# KiCad board MinicalcControlPanel.kicad_pcb (continued)
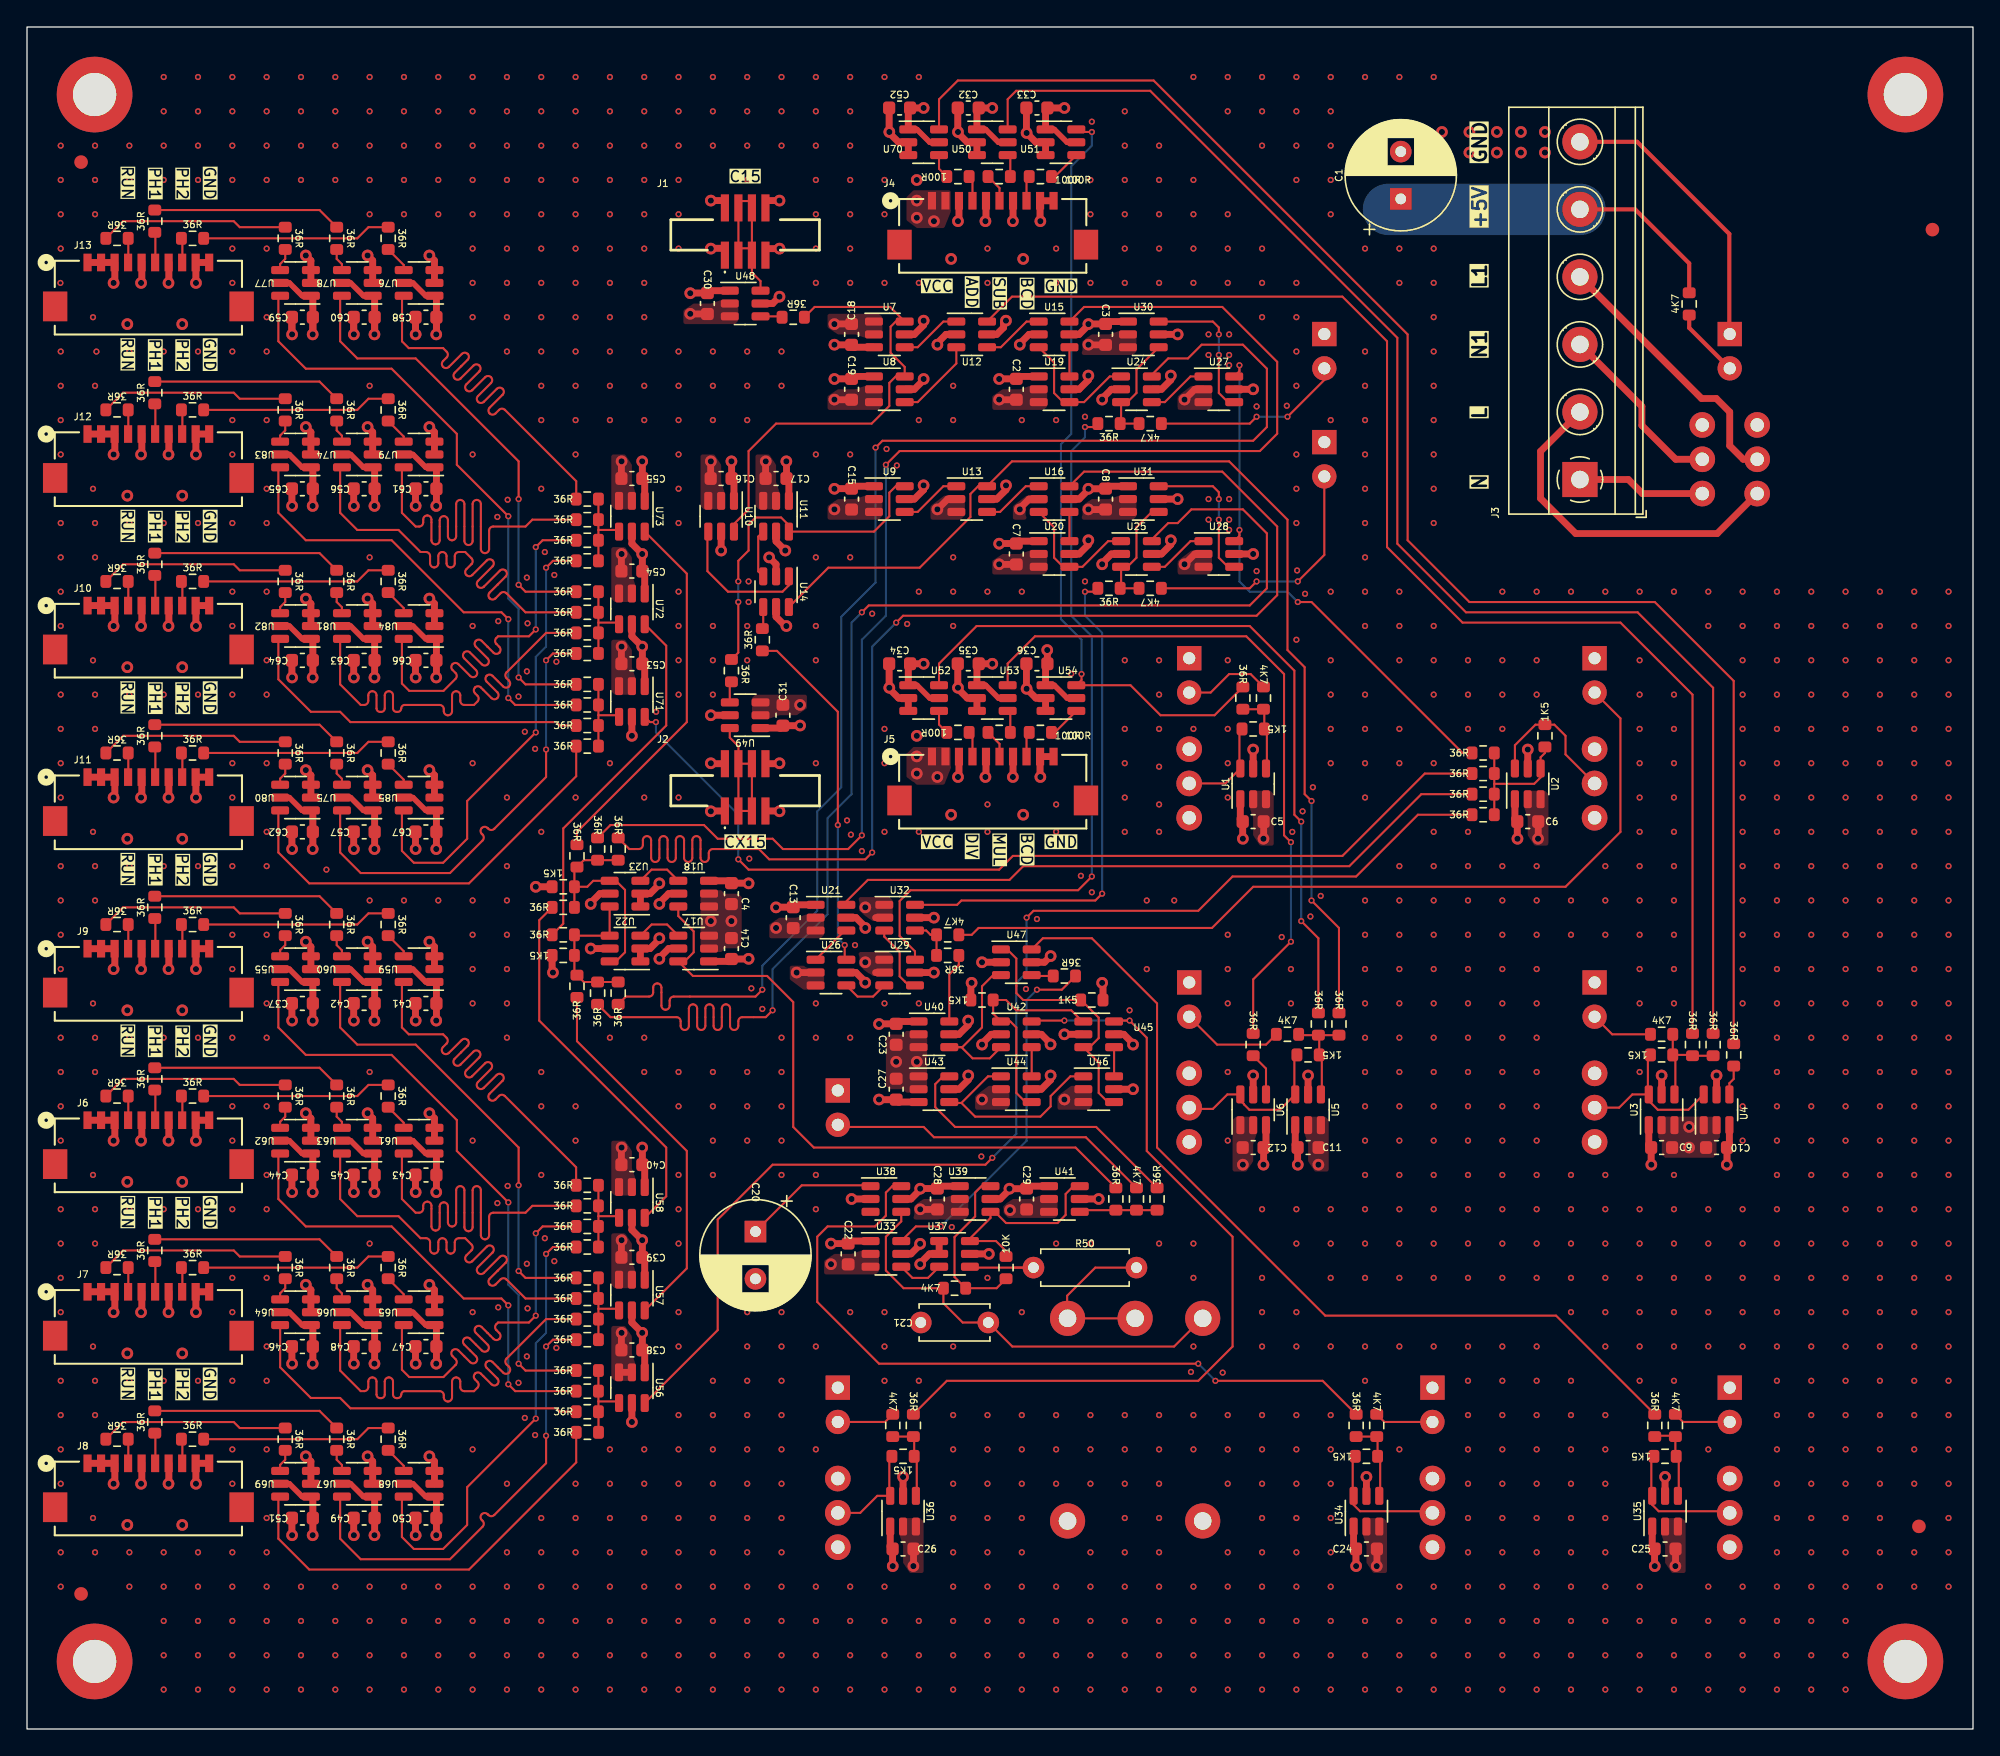
[diagram p0: board, top side]
## Routing (per net, layer and track width the routed paths; a pad name or vN(x,y) marks a point on that pad's centre or on a via; arc(x,y) is an arc through that point) (continued)
  GND_2 w0.305: 100.16,117.5 100.13,117.47
  GND_2 w3.81: J3.6 100.16,117.5
  GND_3 w3.81: J3.6 100.42,117.5
  vias: v1(7.42,104.01) v1(7.42,91.31) v1(7.42,78.61) v1(7.42,65.91) v1(7.42,53.21) v1(7.42,40.51) v1(7.42,27.81) v1(7.42,15.11) v1(11.49,104.01) v1(11.49,91.31) v1(11.49,78.61) v1(11.49,65.91) v1(11.49,53.21) v1(11.49,40.51) v1(11.49,27.81) v1(11.49,15.11) v1(46.79,62.6) v1(46.79,58.54) v1(50.6,59.81) v1(52.13,59.81) v1(59.49,34.41) v1(62.03,60.83) v1(62.03,56.76) v1(64.32,49.4) v1(65.84,114.67) v1(65.84,73.53) v1(65.84,49.4) v1(68.38,108.83) v1(68.38,67.68) v1(70.67,46.6) v1(73.72,108.83) v1(73.72,67.68) v1(76.76,46.6) v1(89.97,41.78) v1(95.56,41.78) v1(104.7,118.23) v1(104.7,116.71) v1(106.74,118.23) v1(106.74,116.71) v1(108.77,118.23) v1(108.77,116.71) v1(110.55,118.23) v1(110.55,116.71) v1(112.32,118.23) v1(112.32,116.71) v1(122.99,44.57) v1(122.99,43.05) v2(2.49,117.22) v2(2.49,114.68) v2(2.49,112.14) v2(2.49,109.6) v2(2.47,107.05) v2(2.49,101.98) v2(2.49,99.44) v2(2.49,96.9) v2(2.49,94.36) v2(2.49,89.28) v2(2.49,86.74) v2(2.49,84.2) v2(2.49,81.66) v2(2.49,76.58) v2(2.49,74.04) v2(2.49,71.5) v2(2.49,68.96) v2(2.49,63.88) v2(2.49,61.34) v2(2.49,58.8) v2(2.49,56.26) v2(2.49,51.18) v2(2.49,48.64) v2(2.49,46.1) v2(2.49,43.56) v2(2.49,38.48) v2(2.49,35.94) v2(2.49,33.4) v2(2.49,30.86) v2(2.49,25.78) v2(2.49,23.24) v2(2.49,20.7) v2(2.49,18.16) v2(2.49,13.08) v2(2.49,10.54) v2(4.88,104.51) v2(4.88,91.81) v2(4.88,79.11) v2(4.88,66.42) v2(4.88,53.71) v2(4.88,41.02) v2(4.88,28.31) v2(4.88,15.62) v2(5.03,117.22) v2(5.03,114.68) v2(5.03,112.14) v2(5.03,99.44) v2(5.03,89.28) v2(5.03,86.74) v2(5.03,76.58) v2(5.03,74.04) v2(5.03,63.88) v2(5.03,61.34) v2(5.03,51.18) v2(5.03,48.64) v2(5.03,38.48) v2(5.03,35.94) v2(5.03,25.78) v2(5.03,23.24) v2(5.03,13.08) v2(5.14,101.97) v2(7.57,117.22) v2(7.57,114.68) v2(7.57,101.98) v2(7.57,89.28) v2(7.57,76.58) v2(7.57,63.88) v2(7.57,51.18) v2(7.57,38.48) v2(7.57,25.78) v2(7.57,13.08) v2(7.57,10.54) v2(10.11,122.3) v2(10.11,119.76) v2(10.11,117.22) v2(10.11,114.68) v2(10.11,101.98) v2(10.11,89.28) v2(10.11,76.58) v2(10.11,63.88) v2(10.11,51.18) v2(10.11,38.48) v2(10.11,25.78) v2(10.11,13.08) v2(10.11,10.54) v2(10.11,8) v2(10.11,5.46) v2(10.11,2.92) v2(12.65,122.3) v2(12.65,119.76) v2(12.65,117.22) v2(12.65,114.68) v2(12.65,101.98) v2(12.65,89.28) v2(12.65,76.58) v2(12.65,63.88) v2(12.65,51.18) v2(12.65,38.48) v2(12.65,25.78) v2(12.65,13.08) v2(12.65,10.54) v2(12.65,8) v2(12.65,5.46) v2(12.65,2.92) v2(15.19,122.3) v2(15.19,119.76) v2(15.19,117.22) v2(15.19,114.68) v2(15.19,109.6) v2(15.19,107.06) v2(15.19,101.98) v2(15.19,96.9) v2(15.19,94.36) v2(15.19,89.28) v2(15.19,84.2) v2(15.19,81.66) v2(15.19,76.58) v2(15.19,71.5) v2(15.19,68.96) v2(15.19,63.88) v2(15.19,58.8) v2(15.19,56.26) v2(15.19,51.18) v2(15.19,46.1) v2(15.19,43.56) v2(15.19,38.48) v2(15.19,33.4) v2(15.19,30.86) v2(15.19,25.78) v2(15.19,20.7) v2(15.19,18.16) v2(15.19,13.08) v2(15.19,10.54) v2(15.19,8) v2(15.19,5.46) v2(15.19,2.92) v2(17.73,122.3) v2(17.73,119.76) v2(17.73,117.22) v2(17.73,114.68) v2(17.73,109.6) v2(17.73,104.52) v2(17.73,101.98) v2(17.73,96.9) v2(17.73,91.82) v2(17.73,89.28) v2(17.73,84.2) v2(17.73,79.12) v2(17.73,76.58) v2(17.73,71.5) v2(17.73,66.42) v2(17.73,63.88) v2(17.73,58.8) v2(17.73,53.72) v2(17.73,51.18) v2(17.73,46.1) v2(17.73,41.02) v2(17.73,38.48) v2(17.73,33.4) v2(17.73,28.32) v2(17.73,25.78) v2(17.73,20.7) v2(17.73,15.62) v2(17.73,13.08) v2(17.73,10.54) v2(17.73,8) v2(17.73,5.46) v2(17.73,2.92) v2(20.27,122.3) v2(20.27,119.76) v2(20.27,117.22) v2(20.27,114.68) v2(20.27,10.54) v2(20.27,8) v2(20.27,5.46) v2(20.27,2.92) v2(22.15,63.62) v2(22.81,122.3) v2(22.81,119.76) v2(22.81,117.22) v2(22.81,114.68) v2(22.81,10.54) v2(22.81,8) v2(22.81,5.46) v2(22.81,2.92) v2(25.35,122.3) v2(25.35,119.76) v2(25.35,117.22) v2(25.35,114.68) v2(25.35,112.14) v2(25.35,99.44) v2(25.35,86.74) v2(25.35,61.34) v2(25.35,48.64) v2(25.35,35.94) v2(25.35,10.54) v2(25.35,8) v2(25.35,5.46) v2(25.35,2.92) v2(27.89,122.3) v2(27.89,119.76) v2(27.89,117.22) v2(27.89,114.68) v2(27.89,112.14) v2(27.89,61.34) v2(27.89,10.54) v2(27.89,8) v2(27.89,5.46) v2(27.89,2.92) v2(30.43,122.3) v2(30.43,119.76) v2(30.43,117.22) v2(30.43,114.68) v2(30.43,112.14) v2(30.43,61.34) v2(30.43,10.54) v2(30.43,8) v2(30.43,5.46) v2(30.43,2.92) v2(32.97,122.3) v2(32.97,119.76) v2(32.97,117.22) v2(32.97,114.68) v2(32.97,112.14) v2(32.97,109.6) v2(32.97,107.06) v2(32.97,104.52) v2(32.97,94.36) v2(32.97,81.66) v2(32.97,71.5) v2(32.97,61.34) v2(32.97,58.8) v2(32.97,56.26) v2(32.97,53.72) v2(32.97,43.56) v2(32.97,30.86) v2(32.97,20.7) v2(32.97,10.54) v2(32.97,8) v2(32.97,5.46) v2(32.97,2.92) v2(34.8,89.73) v2(34.8,38.93) v2(34.87,82.01) v2(34.87,31.21) v2(35.51,122.3) v2(35.51,119.76) v2(35.51,117.22) v2(35.51,114.68) v2(35.51,112.14) v2(35.51,109.6) v2(35.51,107.06) v2(35.51,104.52) v2(35.51,101.98) v2(35.51,68.96) v2(35.51,63.88) v2(35.51,61.34) v2(35.51,58.8) v2(35.51,56.26) v2(35.51,53.72) v2(35.51,51.18) v2(35.51,18.16) v2(35.51,13.08) v2(35.51,10.54) v2(35.51,8) v2(35.51,5.46) v2(35.51,2.92) v2(35.57,91) v2(35.57,40.2) v2(36.37,76.43) v2(36.37,25.63) v2(36.84,73.83) v2(36.84,23.03) v2(36.99,85.24) v2(36.99,78.3) v2(36.99,34.44) v2(36.99,27.58) v2(37.04,81.85) v2(37.04,31.14) v2(37.6,72.56) v2(37.6,21.76) v2(38.05,122.3) v2(38.05,119.76) v2(38.05,117.22) v2(38.05,114.68) v2(38.05,112.14) v2(38.05,109.6) v2(38.05,107.06) v2(38.05,104.52) v2(38.05,101.98) v2(38.05,99.44) v2(38.05,96.9) v2(38.05,91.82) v2(38.05,66.42) v2(38.05,48.64) v2(38.05,46.1) v2(38.05,41.02) v2(38.05,15.62) v2(38.05,13.08) v2(38.05,10.54) v2(38.05,8) v2(38.05,5.46) v2(38.05,2.92) v2(38.32,87.13) v2(38.32,36.33) v2(39.02,85.43) v2(39.02,34.63) v2(39.17,79.01) v2(39.17,28.21) v2(40.59,122.3) v2(40.59,119.76) v2(40.59,117.22) v2(40.59,114.68) v2(40.59,112.14) v2(40.59,109.6) v2(40.59,107.06) v2(40.59,104.52) v2(40.59,101.98) v2(40.59,99.44) v2(40.59,96.9) v2(40.59,94.36) v2(40.59,68.96) v2(40.59,46.1) v2(40.59,43.56) v2(40.59,18.16) v2(40.59,15.62) v2(40.59,13.08) v2(40.59,10.54) v2(40.59,8) v2(40.59,5.46) v2(40.59,2.92) v2(43.13,122.3) v2(43.13,119.76) v2(43.13,117.22) v2(43.13,114.68) v2(43.13,112.14) v2(43.13,109.6) v2(43.13,107.06) v2(43.13,104.52) v2(43.13,101.98) v2(43.13,99.44) v2(43.13,96.9) v2(43.13,71.5) v2(43.13,51.18) v2(43.13,20.7) v2(43.13,18.16) v2(43.13,15.62) v2(43.13,13.08) v2(43.13,10.54) v2(43.13,8) v2(43.13,5.46) v2(43.13,2.92) v2(45.67,122.3) v2(45.67,119.76) v2(45.67,117.22) v2(45.67,114.68) v2(45.67,112.14) v2(45.67,109.6) v2(45.67,107.06) v2(45.67,104.52) v2(45.67,101.98) v2(45.67,99.44) v2(45.67,96.9) v2(45.67,68.96) v2(45.67,51.18) v2(45.67,48.64) v2(45.67,20.7) v2(45.67,18.16) v2(45.67,15.62) v2(45.67,13.08) v2(45.67,10.54) v2(45.67,8) v2(45.67,5.46) v2(45.67,2.92) v2(46.55,75.3) v2(48.21,122.3) v2(48.21,119.76) v2(48.21,117.22) v2(48.21,114.68) v2(48.21,112.14) v2(48.21,109.6) v2(48.21,101.98) v2(48.21,99.44) v2(48.21,96.9) v2(48.21,94.36) v2(48.21,91.82) v2(48.21,89.28) v2(48.21,84.2) v2(48.21,81.66) v2(48.21,79.12) v2(48.21,76.58) v2(48.21,68.96) v2(48.21,48.64) v2(48.21,46.1) v2(48.21,41.02) v2(48.21,38.48) v2(48.21,35.94) v2(48.21,30.86) v2(48.21,28.32) v2(48.21,23.24) v2(48.21,20.7) v2(48.21,18.16) v2(48.21,15.62) v2(48.21,13.08) v2(48.21,10.54) v2(48.21,8) v2(48.21,5.46) v2(48.21,2.92) v2(50.75,122.3) v2(50.75,119.76) v2(50.75,117.22) v2(50.75,101.98) v2(50.75,99.44) v2(50.75,96.9) v2(50.75,81.66) v2(50.75,79.12) v2(50.75,76.58) v2(50.75,48.64) v2(50.75,46.1) v2(50.75,43.56) v2(50.75,41.02) v2(50.75,25.78) v2(50.75,23.24) v2(50.75,20.7) v2(50.75,18.16) v2(50.75,15.62) v2(50.75,13.08) v2(50.75,10.54) v2(50.75,8) v2(50.75,5.46) v2(50.75,2.92) v2(53.29,122.3) v2(53.29,119.76) v2(53.29,117.22) v2(53.29,114.68) v2(53.29,101.98) v2(53.29,99.44) v2(53.29,96.9) v2(53.29,81.66) v2(53.29,79.12) v2(53.29,48.64) v2(53.29,46.1) v2(53.29,43.56) v2(53.29,30.86) v2(53.29,28.32) v2(53.29,25.78) v2(53.29,23.24) v2(53.29,20.7) v2(53.29,18.16) v2(53.29,15.62) v2(53.29,13.08) v2(53.29,10.54) v2(53.29,8) v2(53.29,5.46) v2(53.29,2.92) v2(53.4,84.96) v2(53.4,83.43) v2(53.45,64.43) v2(53.6,54.83) v2(54.41,53.31) v2(55.83,122.3) v2(55.83,119.76) v2(55.83,117.22) v2(55.83,101.98) v2(55.83,99.44) v2(55.83,51.18) v2(55.83,48.64) v2(55.83,46.1) v2(55.83,43.56) v2(55.83,41.02) v2(55.83,30.86) v2(55.83,28.32) v2(55.83,25.78) v2(55.83,23.24) v2(55.83,20.7) v2(55.83,18.16) v2(55.83,15.62) v2(55.83,13.08) v2(55.83,10.54) v2(55.83,8) v2(55.83,5.46) v2(55.83,2.92) v2(58.37,122.3) v2(58.37,119.76) v2(58.37,117.22) v2(58.37,114.68) v2(58.37,112.14) v2(58.37,109.6) v2(58.37,107.06) v2(58.37,94.36) v2(58.37,86.74) v2(58.37,81.66) v2(58.37,79.12) v2(58.37,71.5) v2(58.37,53.72) v2(58.37,51.18) v2(58.37,41.02) v2(58.37,38.48) v2(58.37,28.32) v2(58.37,20.7) v2(58.37,10.54) v2(58.37,8) v2(58.37,5.46) v2(58.37,2.92) v2(60.68,67.26) v2(60.91,122.3) v2(60.91,119.76) v2(60.91,117.22) v2(60.91,114.68) v2(60.91,112.14) v2(60.91,109.6) v2(60.91,107.06) v2(60.91,94.36) v2(60.91,86.74) v2(60.91,51.18) v2(60.91,30.86) v2(60.91,10.54) v2(60.91,8) v2(60.91,5.46) v2(60.91,2.92) v2(60.97,66.21) v2(61.27,58.03) v2(61.78,64.99) v2(62.54,82.57) v2(63.45,122.3) v2(63.45,114.68) v2(63.45,112.14) v2(63.45,107.06) v2(63.45,74.04) v2(63.45,71.5) v2(63.45,66.42) v2(63.45,53.72) v2(63.45,30.86) v2(63.45,28.32) v2(63.45,25.78) v2(63.45,10.54) v2(63.45,8) v2(63.45,5.46) v2(63.45,2.92) v2(63.61,94.76) v2(64.37,93.54) v2(65.13,81.81) v2(65.99,122.3) v2(65.99,107.06) v2(65.99,96.9) v2(65.99,84.2) v2(65.99,66.42) v2(65.99,53.72) v2(65.99,25.78) v2(65.99,8) v2(65.99,5.46) v2(65.99,2.92) v2(68.43,37.15) v2(68.53,99.44) v2(68.53,96.9) v2(68.53,86.74) v2(68.53,84.2) v2(68.53,81.66) v2(68.53,28.32) v2(68.53,23.24) v2(68.53,20.7) v2(68.53,18.16) v2(68.53,15.62) v2(68.53,13.08) v2(68.53,10.54) v2(68.53,8) v2(68.53,5.46) v2(68.53,2.92) v2(70.62,42.39) v2(71.07,109.6) v2(71.07,107.06) v2(71.07,84.2) v2(71.07,68.45) v2(71.07,66.42) v2(71.07,33.4) v2(71.07,23.24) v2(71.07,20.7) v2(71.07,18.16) v2(71.07,15.62) v2(71.07,13.08) v2(71.07,10.54) v2(71.07,8) v2(71.07,5.46) v2(71.07,2.92) v2(73.61,96.9) v2(73.61,84.2) v2(73.61,30.86) v2(73.61,23.24) v2(73.61,20.7) v2(73.61,18.16) v2(73.61,15.62) v2(73.61,13.08) v2(73.61,10.54) v2(73.61,8) v2(73.61,5.46) v2(73.61,2.92) v2(73.92,54.78) v2(74.73,59.96) v2(76.15,109.6) v2(76.15,107.06) v2(76.15,96.9) v2(76.15,68.45) v2(76.15,66.42) v2(76.15,35.94) v2(76.15,23.24) v2(76.15,20.7) v2(76.15,18.16) v2(76.15,10.54) v2(76.15,8) v2(76.15,5.46) v2(76.15,2.92) v2(77.27,78.11) v2(77.98,63.16) v2(78.29,97.15) v2(78.29,84.96) v2(78.69,114.68) v2(78.69,112.14) v2(78.69,107.06) v2(78.69,35.94) v2(78.69,23.24) v2(78.69,20.7) v2(78.69,18.16) v2(78.69,13.08) v2(78.69,10.54) v2(78.69,8) v2(78.69,5.46) v2(78.69,2.92) v2(78.8,118.99) v2(78.8,61.94) v2(81.23,119.76) v2(81.23,117.22) v2(81.23,114.68) v2(81.23,112.14) v2(81.23,109.6) v2(81.23,107.06) v2(81.23,79.12) v2(81.23,74.04) v2(81.23,71.5) v2(81.23,68.96) v2(81.23,66.42) v2(81.23,23.24) v2(81.23,20.7) v2(81.23,18.16) v2(81.23,15.62) v2(81.23,13.08) v2(81.23,10.54) v2(81.23,8) v2(81.23,5.46) v2(81.23,2.92) v2(81.59,53.21) v2(82.86,61.33) v2(82.86,56.25) v2(83.77,117.22) v2(83.77,114.68) v2(83.77,112.14) v2(83.77,109.6) v2(83.77,107.06) v2(83.77,79.12) v2(83.77,76.58) v2(83.77,74.04) v2(83.77,71.24) v2(83.77,68.45) v2(83.77,66.42) v2(83.77,35.94) v2(83.77,23.24) v2(83.77,20.7) v2(83.77,18.16) v2(83.77,15.62) v2(83.77,13.08) v2(83.77,10.54) v2(83.77,8) v2(83.77,5.46) v2(83.77,2.92) v2(84.89,61.34) v2(86.13,26.43) v2(86.31,122.3) v2(86.31,114.68) v2(86.31,112.14) v2(86.31,109.6) v2(86.31,107.06) v2(86.31,74.04) v2(86.31,35.94) v2(86.31,33.4) v2(86.31,28.32) v2(86.31,23.24) v2(86.31,20.7) v2(86.31,10.54) v2(86.31,8) v2(86.31,5.46) v2(86.31,2.92) v2(87.43,103.24) v2(87.43,101.72) v2(87.43,91.05) v2(87.43,89.53) v2(88.48,26.38) v2(88.85,122.3) v2(88.85,119.76) v2(88.85,112.14) v2(88.85,109.6) v2(88.85,107.06) v2(88.85,79.12) v2(88.85,74.04) v2(88.85,71.5) v2(88.85,68.96) v2(88.85,58.8) v2(88.85,56.26) v2(88.85,53.72) v2(88.85,48.64) v2(88.85,43.56) v2(88.85,23.24) v2(88.85,20.7) v2(88.85,18.16) v2(88.85,13.08) v2(88.85,10.54) v2(88.85,8) v2(88.85,5.46) v2(88.85,2.92) v2(88.96,103.24) v2(88.96,101.72) v2(88.96,100.96) v2(88.96,91.05) v2(88.96,89.53) v2(88.96,88.77) v2(90.99,97.91) v2(90.99,85.72) v2(91.39,122.3) v2(91.39,119.76) v2(91.39,117.22) v2(91.39,109.6) v2(91.39,107.06) v2(91.39,104.52) v2(91.39,38.48) v2(91.39,33.4) v2(91.39,30.86) v2(91.39,28.32) v2(91.39,23.24) v2(91.39,20.7) v2(91.39,18.16) v2(91.39,15.62) v2(91.39,13.08) v2(91.39,10.54) v2(91.39,8) v2(91.39,5.46) v2(91.39,2.92) v2(92.85,58.63) v2(93.22,97.96) v2(93.53,56.25) v2(93.53,53.71) v2(93.63,66.41) v2(93.93,122.3) v2(93.93,119.76) v2(93.93,117.22) v2(93.93,114.68) v2(93.93,107.06) v2(93.93,104.52) v2(93.93,101.98) v2(93.93,99.44) v2(93.93,94.36) v2(93.93,91.82) v2(93.93,89.28) v2(93.99,85.77) v2(93.93,80.64) v2(93.93,38.48) v2(93.93,35.94) v2(93.93,30.86) v2(93.93,28.32) v2(93.93,23.24) v2(93.93,20.7) v2(93.93,18.16) v2(93.93,15.62) v2(93.93,13.08) v2(93.93,10.54) v2(93.93,8) v2(93.93,5.46) v2(93.93,2.92) v2(94.39,67.94) v2(94.57,84.04) v2(94.97,60.15) v2(95.15,69.72) v2(95.73,61.67) v2(96.47,122.3) v2(96.47,119.76) v2(96.47,117.22) v2(96.47,114.68) v2(96.47,112.14) v2(96.47,96.9) v2(96.47,84.2) v2(96.47,79.12) v2(96.47,76.58) v2(96.47,74.04) v2(96.47,71.5) v2(96.47,38.48) v2(96.47,35.94) v2(96.47,33.4) v2(96.47,28.32) v2(96.47,23.24) v2(96.47,20.7) v2(96.47,18.16) v2(96.47,15.62) v2(96.47,13.08) v2(96.47,10.54) v2(96.47,8) v2(96.47,5.46) v2(96.47,2.92) v2(99.01,122.3) v2(99.01,109.6) v2(99.01,101.98) v2(99.01,99.44) v2(99.01,96.9) v2(99.01,94.36) v2(99.01,91.82) v2(99.01,89.28) v2(99.01,86.74) v2(99.01,84.2) v2(99.01,81.66) v2(99.01,76.58) v2(99.01,74.04) v2(99.01,71.5) v2(99.01,68.96) v2(99.01,61.34) v2(99.01,58.8) v2(99.01,56.26) v2(99.01,53.72) v2(99.01,51.18) v2(99.01,48.64) v2(99.01,46.1) v2(99.01,43.56) v2(99.01,41.02) v2(99.01,38.48) v2(99.01,35.94) v2(99.01,33.4) v2(99.01,28.32) v2(99.01,25.78) v2(99.01,8) v2(99.01,5.46) v2(99.01,2.92) v2(101.55,122.3) v2(101.55,109.6) v2(101.55,107.06) v2(101.55,84.2) v2(101.55,81.66) v2(101.55,79.12) v2(101.55,74.04) v2(101.55,71.5) v2(101.55,63.88) v2(101.55,61.34) v2(101.55,58.8) v2(101.55,56.26) v2(101.55,53.72) v2(101.55,51.18) v2(101.55,48.64) v2(101.55,46.1) v2(101.55,43.56) v2(101.55,41.02) v2(101.55,38.48) v2(101.55,35.94) v2(101.55,33.4) v2(101.55,28.32) v2(101.55,20.7) v2(101.55,10.54) v2(101.55,8) v2(101.55,5.46) v2(101.55,2.92) v2(104.09,122.3) v2(104.09,109.6) v2(104.09,107.06) v2(104.09,104.52) v2(104.09,101.98) v2(104.09,99.44) v2(104.09,96.9) v2(104.09,94.36) v2(104.09,91.82) v2(104.09,89.28) v2(104.09,81.66) v2(104.09,79.12) v2(104.09,76.58) v2(104.09,71.5) v2(104.09,66.42) v2(104.09,63.88) v2(104.09,61.34) v2(104.09,58.8) v2(104.09,56.26) v2(104.09,53.72) v2(104.09,51.18) v2(104.09,48.64) v2(104.09,46.1) v2(104.09,43.56) v2(104.09,41.02) v2(104.09,38.48) v2(104.09,35.94) v2(104.09,33.4) v2(104.09,28.32) v2(104.09,10.54) v2(104.09,8) v2(104.09,5.46) v2(104.09,2.92) v2(106.63,79.12) v2(106.63,76.58) v2(106.63,74.04) v2(106.63,66.42) v2(106.63,63.88) v2(106.63,61.34) v2(106.63,58.8) v2(106.63,56.26) v2(106.63,53.72) v2(106.63,51.18) v2(106.63,48.64) v2(106.63,46.1) v2(106.63,43.56) v2(106.63,41.02) v2(106.63,38.48) v2(106.63,35.94) v2(106.63,33.4) v2(106.63,28.32) v2(106.63,25.78) v2(106.63,23.24) v2(106.63,20.7) v2(106.63,18.16) v2(106.63,15.62) v2(106.63,13.08) v2(106.63,10.54) v2(106.63,8) v2(106.63,5.46) v2(106.63,2.92) v2(109.17,84.2) v2(109.17,79.12) v2(109.17,76.58) v2(109.17,74.04) v2(109.17,63.88) v2(109.17,61.34) v2(109.17,58.8) v2(109.17,56.26) v2(109.17,53.72) v2(109.17,51.18) v2(109.17,48.64) v2(109.17,46.1) v2(109.17,43.56) v2(109.17,41.02) v2(109.17,38.48) v2(109.17,35.94) v2(109.17,33.4) v2(109.17,28.32) v2(109.17,25.78) v2(109.17,23.24) v2(109.17,20.7) v2(109.17,18.16) v2(109.17,15.62) v2(109.17,13.08) v2(109.17,10.54) v2(109.17,8) v2(109.17,5.46) v2(109.17,2.92) v2(111.71,84.2) v2(111.71,79.12) v2(111.71,76.58) v2(111.71,63.88) v2(111.71,61.34) v2(111.71,58.8) v2(111.71,56.26) v2(111.71,53.72) v2(111.71,51.18) v2(111.71,48.64) v2(111.71,46.1) v2(111.71,43.56) v2(111.71,41.02) v2(111.71,38.48) v2(111.71,35.94) v2(111.71,33.4) v2(111.71,28.32) v2(111.71,25.78) v2(111.71,23.24) v2(111.71,20.7) v2(111.71,18.16) v2(111.71,15.62) v2(111.71,13.08) v2(111.71,10.54) v2(111.71,8) v2(111.71,5.46) v2(111.71,2.92) v2(114.25,84.2) v2(114.25,61.34) v2(114.25,58.8) v2(114.25,41.02) v2(114.25,38.48) v2(114.25,35.94) v2(114.25,33.4) v2(114.25,30.86) v2(114.25,25.78) v2(114.25,23.24) v2(114.25,20.7) v2(114.25,18.16) v2(114.25,15.62) v2(114.25,13.08) v2(114.25,10.54) v2(114.25,8) v2(114.25,5.46) v2(114.25,2.92) v2(116.79,84.2) v2(116.79,63.88) v2(116.79,61.34) v2(116.79,58.8) v2(116.79,41.02) v2(116.79,38.48) v2(116.79,35.94) v2(116.79,33.4) v2(116.79,30.86) v2(116.79,28.32) v2(116.79,23.24) v2(116.79,20.7) v2(116.79,18.16) v2(116.79,15.62) v2(116.79,13.08) v2(116.79,10.54) v2(116.79,8) v2(116.79,5.46) v2(116.79,2.92) v2(119.33,84.2) v2(119.33,79.12) v2(119.33,76.58) v2(119.33,74.04) v2(119.33,71.5) v2(119.33,68.96) v2(119.33,66.42) v2(119.33,63.88) v2(119.33,61.34) v2(119.33,58.8) v2(119.33,56.26) v2(119.33,53.72) v2(119.33,48.64) v2(119.33,38.48) v2(119.33,35.94) v2(119.33,33.4) v2(119.33,30.86) v2(119.33,28.32) v2(119.33,25.78) v2(119.33,10.54) v2(119.33,8) v2(119.33,5.46) v2(119.33,2.92) v2(121.87,84.2) v2(121.87,76.58) v2(121.87,74.04) v2(121.87,71.5) v2(121.87,68.96) v2(121.87,66.42) v2(121.87,63.88) v2(121.87,61.34) v2(121.87,58.8) v2(121.87,56.26) v2(121.87,53.72) v2(121.87,41.02) v2(121.87,38.48) v2(121.87,35.94) v2(121.87,33.4) v2(121.87,30.86) v2(121.87,28.32) v2(121.87,25.78) v2(121.87,8) v2(121.87,5.46) v2(121.87,2.92) v2(124.41,84.2) v2(124.41,81.66) v2(124.41,38.48) v2(124.41,35.94) v2(124.41,33.4) v2(124.41,30.86) v2(124.41,28.32) v2(124.41,20.7) v2(124.41,10.54) v2(124.41,8) v2(124.41,5.46) v2(124.41,2.92) v2(126.95,84.2) v2(126.95,81.66) v2(126.95,79.12) v2(126.95,76.58) v2(126.95,74.04) v2(126.95,71.5) v2(126.95,68.96) v2(126.95,66.42) v2(126.95,63.88) v2(126.95,61.34) v2(126.95,58.8) v2(126.95,56.26) v2(126.95,53.72) v2(126.95,46.1) v2(126.95,43.56) v2(126.95,38.48) v2(126.95,35.94) v2(126.95,33.4) v2(126.95,30.86) v2(126.95,28.32) v2(126.95,10.54) v2(126.95,8) v2(126.95,5.46) v2(126.95,2.92) v2(129.49,84.2) v2(129.49,81.66) v2(129.49,79.12) v2(129.49,76.58) v2(129.49,74.04) v2(129.49,71.5) v2(129.49,68.96) v2(129.49,66.42) v2(129.49,63.88) v2(129.49,61.34) v2(129.49,58.8) v2(129.49,56.26) v2(129.49,53.72) v2(129.49,51.18) v2(129.49,48.64) v2(129.49,46.1) v2(129.49,43.56) v2(129.49,41.02) v2(129.49,38.48) v2(129.49,35.94) v2(129.49,33.4) v2(129.49,30.86) v2(129.49,28.32) v2(129.49,25.78) v2(129.49,23.24) v2(129.49,20.7) v2(129.49,18.16) v2(129.49,15.62) v2(129.49,13.08) v2(129.49,10.54) v2(129.49,8) v2(129.49,5.46) v2(129.49,2.92) v2(132.03,84.2) v2(132.03,81.66) v2(132.03,79.12) v2(132.03,76.58) v2(132.03,74.04) v2(132.03,71.5) v2(132.03,68.96) v2(132.03,66.42) v2(132.03,63.88) v2(132.03,61.34) v2(132.03,58.8) v2(132.03,56.26) v2(132.03,53.72) v2(132.03,51.18) v2(132.03,48.64) v2(132.03,46.1) v2(132.03,43.56) v2(132.03,41.02) v2(132.03,38.48) v2(132.03,35.94) v2(132.03,33.4) v2(132.03,30.86) v2(132.03,28.32) v2(132.03,25.78) v2(132.03,23.24) v2(132.03,20.7) v2(132.03,18.16) v2(132.03,15.62) v2(132.03,13.08) v2(132.03,10.54) v2(132.03,8) v2(132.03,5.46) v2(132.03,2.92) v2(134.57,84.2) v2(134.57,81.66) v2(134.57,79.12) v2(134.57,76.58) v2(134.57,74.04) v2(134.57,71.5) v2(134.57,68.96) v2(134.57,66.42) v2(134.57,63.88) v2(134.57,61.34) v2(134.57,58.8) v2(134.57,56.26) v2(134.57,53.72) v2(134.57,51.18) v2(134.57,48.64) v2(134.57,46.1) v2(134.57,43.56) v2(134.57,41.02) v2(134.57,38.48) v2(134.57,35.94) v2(134.57,33.4) v2(134.57,30.86) v2(134.57,28.32) v2(134.57,25.78) v2(134.57,23.24) v2(134.57,20.7) v2(134.57,18.16) v2(134.57,15.62) v2(134.57,13.08) v2(134.57,10.54) v2(134.57,8) v2(134.57,5.46) v2(134.57,2.92) v2(137.11,84.2) v2(137.11,81.66) v2(137.11,79.12) v2(137.11,76.58) v2(137.11,74.04) v2(137.11,71.5) v2(137.11,68.96) v2(137.11,66.42) v2(137.11,63.88) v2(137.11,61.34) v2(137.11,58.8) v2(137.11,56.26) v2(137.11,53.72) v2(137.11,51.18) v2(137.11,48.64) v2(137.11,46.1) v2(137.11,43.56) v2(137.11,41.02) v2(137.11,38.48) v2(137.11,35.94) v2(137.11,33.4) v2(137.11,30.86) v2(137.11,28.32) v2(137.11,25.78) v2(137.11,23.24) v2(137.11,20.7) v2(137.11,18.16) v2(137.11,15.62) v2(137.11,13.08) v2(137.11,10.54) v2(139.65,84.2) v2(139.65,81.66) v2(139.65,79.12) v2(139.65,76.58) v2(139.65,74.04) v2(139.65,71.5) v2(139.65,68.96) v2(139.65,66.42) v2(139.65,63.88) v2(139.65,61.34) v2(139.65,58.8) v2(139.65,56.26) v2(139.65,53.72) v2(139.65,51.18) v2(139.65,48.64) v2(139.65,46.1) v2(139.65,43.56) v2(139.65,41.02) v2(139.65,38.48) v2(139.65,35.94) v2(139.65,33.4) v2(139.65,30.86) v2(139.65,28.32) v2(139.65,25.78) v2(139.65,23.24) v2(139.65,20.7) v2(139.65,18.16) v2(139.65,13.08) v2(139.65,10.54) v2(142.19,84.2) v2(142.19,81.66) v2(142.19,79.12) v2(142.19,76.58) v2(142.19,74.04) v2(142.19,71.5) v2(142.19,68.96) v2(142.19,66.42) v2(142.19,63.88) v2(142.19,61.34) v2(142.19,58.8) v2(142.19,56.26) v2(142.19,53.72) v2(142.19,51.18) v2(142.19,48.64) v2(142.19,46.1) v2(142.19,43.56) v2(142.19,41.02) v2(142.19,38.48) v2(142.19,35.94) v2(142.19,33.4) v2(142.19,30.86) v2(142.19,28.32) v2(142.19,25.78) v2(142.19,23.24) v2(142.19,20.7) v2(142.19,18.16) v2(142.19,15.62) v2(142.19,13.08) v2(142.19,10.54)
